# KiCad board AmigaPCI Mainboard.kicad_pcb (continued)
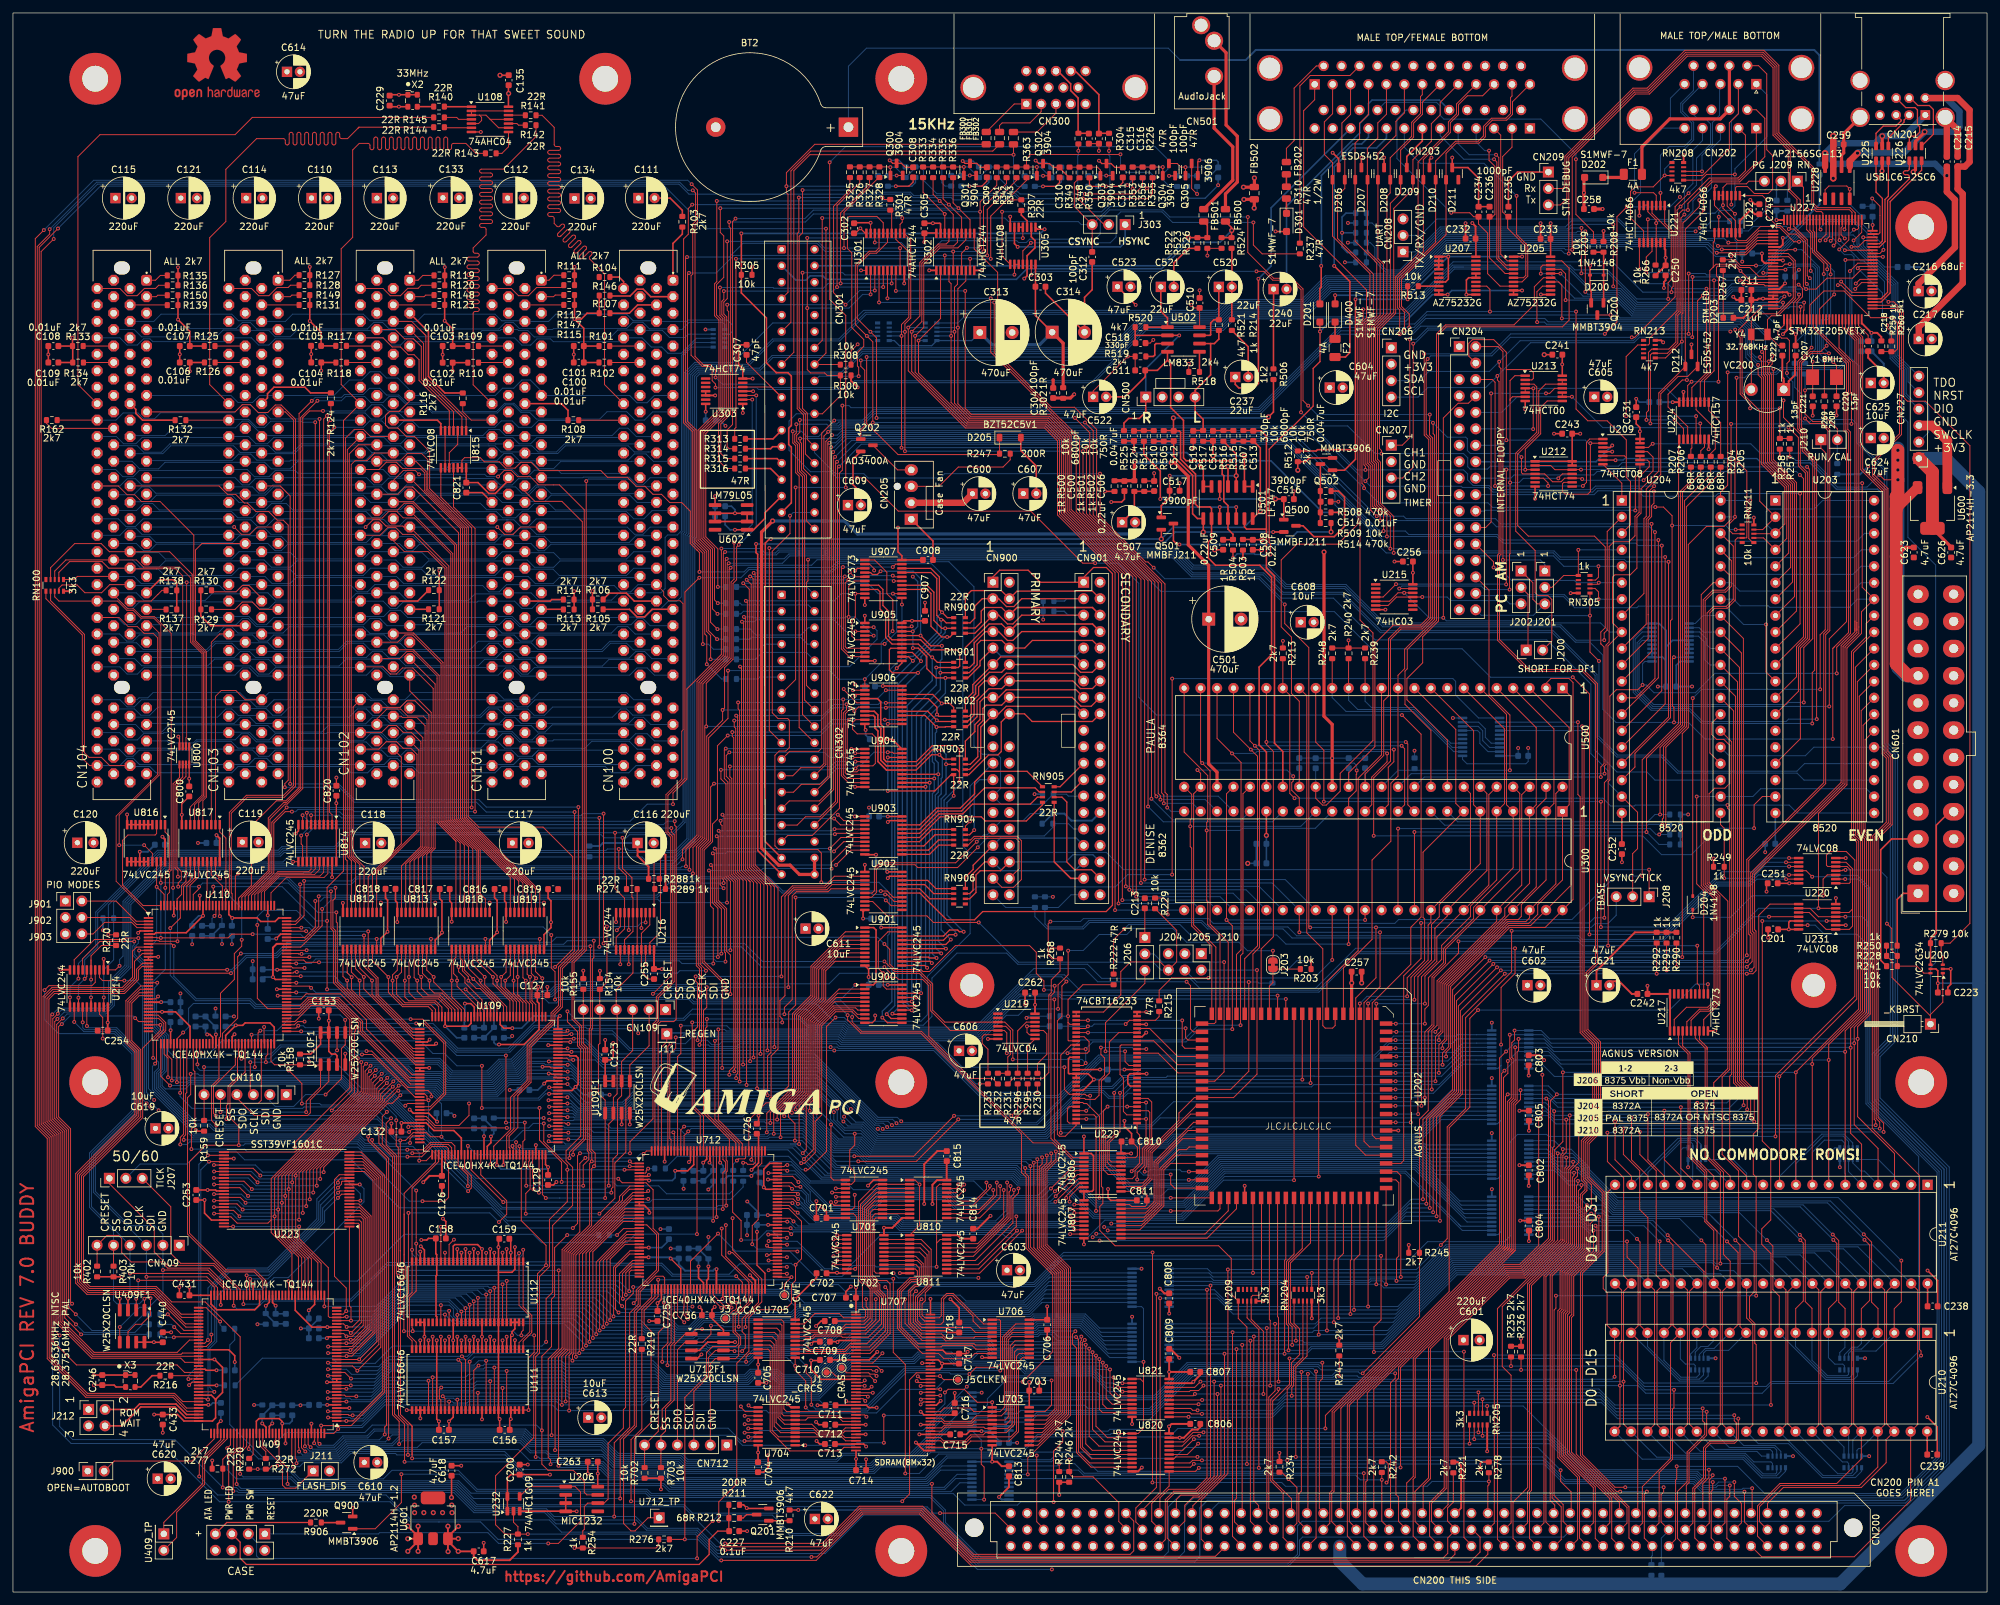
[diagram p0: board, top side]
## Routing (per net, layer and track width the routed paths; a pad name or vN(x,y) marks a point on that pad's centre or on a via; arc(x,y) is an arc through that point) (continued)
RGA5: length 86.7
  Top w0.15: U300.13 209.8,121.57 209.8,125.84 212.16,128.21 v1(212.16,129.5) ; U500.22 185.91,131.81 v1(188.22,129.5) 189.62,128.1 189.62,99.16 188.91,98.45 U202.29
  Bottom w0.15: v1(212.16,129.5) 211.88,129.79 192.07,129.79 191.78,129.5 188.22,129.5 v1(188.22,129.5)
RGA6: length 85.1
  Top w0.15: U500.21 188.45,132.77 v1(191.13,130.09) 192.15,129.06 192.15,99.77 190.18,97.8 U202.28 ; U300.12 212.35,121.58 212.35,127.36 213.21,128.22 v1(213.21,130.09)
  Bottom w0.15: v1(213.21,130.09) v1(191.13,130.09)
RGA7: length 84.7
  Top w0.15: U500.20 190.99,131.44 v1(191.75,130.68) 192.45,129.97 192.45,99.53 191.45,98.52 U202.27 ; U300.11 214.88,121.57 214.88,130.21 v1(214.41,130.68)
  Bottom w0.15: v1(214.41,130.68) v1(191.75,130.68)
RGA8: length 84.3
  Top w0.15: v1(215.05,131.26) 215.37,130.95 215.37,121.57 U300.10 ; U202.26 192.72,99.3 194.61,101.19 194.61,129.8 193.53,130.88 U500.19
  Bottom w0.15: v1(215.05,131.26) v1(193.53,131.26)
SCL: length 298.4
  Top w0.15: v1(248.14,15.51) 247.6,15.51 242.02,21.09 242.02,49.37 245.38,52.73 245.38,61.66 243.06,63.99 243.06,69.35 244.81,71.1 244.81,84.82 242.88,86.76 242.88,95.64 244.34,97.11 244.34,140.16 242.33,142.16 234.03,142.16 229.23,146.96 229.23,160.13 229.45,160.36 229.45,186.9 229.2,187.15 v1(229.2,187.79) ; v1(259.29,193.77) 259.33,193.81 v1(259.33,203.08) ; CN200.c40 251.88,8.33 251.88,15.12 v1(252.27,15.51) ; U227.69 v1(282.85,207.2)
  Bottom w0.15: v1(259.29,193.77) 251.13,193.77 250.28,192.92 234.33,192.92 v1(229.2,187.79) 227.4,185.99 218.43,185.99 216.96,184.52 CN206.4 ; R280.1 252.98,5.49 253.12,5.63 CN200.c40 ; v1(252.27,15.51) v1(248.14,15.51) ; v1(259.33,203.08) 270.37,203.08 270.85,203.55 270.85,204.33 275.78,209.26 280.79,209.26 v1(282.85,207.2)
SCLKA: length 376.4
  Top w0.15: v1(10.11,94.72) 10.1,94.72 10.1,96.07 ; v1(8.8,91.83) 8.81,91.82 8.81,90.32 8.81,91.26 ; 8.81,89.7 8.81,91.26 ; 8.81,91.26 8.8,91.27 ; v1(92.96,117.25) 92.96,108.61 94.43,107.14 94.43,102.4 93.13,101.1 93.13,99.17
  Bottom w0.15: v1(8.8,91.83) 8.8,93.41 v1(10.11,94.72) 10.11,97.08 12.78,99.75 12.78,105 22.33,114.54 40.94,114.54 41.5,115.09 49.62,115.09 51.78,117.25 v1(92.96,117.25) 101.75,117.25 103.47,118.97 103.47,163.38 103.75,163.66 103.75,188.36 105.28,189.89 111.24,189.89 117.32,195.97 129.39,195.97 131.33,197.91 185.73,197.91 187.43,199.61 198.99,199.61 202.64,203.25 214.51,203.25 220.85,209.59 260.13,209.59 262.23,211.69 R282.1
SCLKB: length 279
  Top w0.15: v1(267.7,97.39) 268.23,97.91 268.23,101.38 268,101.6 268,112.98 279.88,124.86 279.88,147.83 280.52,148.47 280.52,179.47 279.26,180.74 277.91,180.74 276.69,181.95 v1(276.69,185.57) ; v1(218.75,59.31) 218.75,73.17 222.88,77.29 222.88,91.3 v1(228.57,96.99)
  In3.Cu w0.15: 164.38,12.17 164.38,14.4 162.24,16.54 162.24,20.36 161.18,21.42 161.18,37.66 161.94,38.42 161.94,46.88 169.03,53.97 v1(169.03,55.84)
  Bottom w0.15: v1(169.03,55.84) 211.92,55.84 215.39,59.31 v1(218.75,59.31) ; R284.1 276.7,185.57 v1(276.69,185.57) ; v1(267.7,97.39) 267.54,97.22 228.8,97.22 v1(228.57,96.99)
SCS0: length 73
  Top w0.15: U110.23 19.64,93.09 17.75,91.19 17.75,84.89 19.13,83.51 19.13,73.63 9.99,64.49 9.99,47.83 11.54,46.27 21.77,46.27 26.63,41.41 U409.78
SCS1: length 74.2
  Top w0.15: U409.79 26.7,40.91 21.64,45.97 11.42,45.97 9.69,47.7 9.69,64.62 18.83,73.76 18.83,83.39 17.44,84.77 17.44,91.31 19.72,93.59 U110.22
SDA: length 301
  Top w0.15: v1(248.94,16.18) 247.35,16.18 242.32,21.21 242.32,49.24 245.69,52.61 245.69,61.78 243.36,64.11 243.36,69.22 245.11,70.97 245.11,84.95 243.18,86.88 243.18,95.52 244.64,96.98 244.64,140.28 242.46,142.46 234.15,142.46 229.52,147.09 229.52,160.01 229.75,160.24 229.75,188.93 229.47,189.21 v1(229.47,189.99) ; U227.77 284.95,210.57 284.76,210.38 v1(284.24,210.38) ; v1(258.74,203.6) 258.74,194.53 ; v1(254.87,16.18) 254.87,15.44 254.47,15.05 254.47,10.82 CN200.b41
  Bottom w0.15: CN206.3 217.18,187.06 218.61,188.49 227.97,188.49 v1(229.47,189.99) 232.7,193.22 250.16,193.22 251.23,194.29 v1(258.74,194.29) ; v1(254.87,16.18) v1(248.94,16.18) ; v1(258.74,203.6) 258.74,203.6 261.27,203.6 261.5,203.38 269.05,203.38 275.53,209.86 283.72,209.86 v1(284.24,210.38) ; R281.2 254.51,8.33 255.83,9.65
SDIA: length 373.8
  Top w0.15: v1(10.11,91.78) 10.1,91.77 10.1,90.32 ; 10.1,89.7 10.1,91.2 10.11,91.21 ; v1(94.11,116.47) 94.11,111.76 95.57,110.3 95.57,107.35 95.73,107.19 95.73,102.02 94.43,100.72 94.43,99.17 ; v1(11.07,94.69) 11.41,95.02 11.41,96.07
  Bottom w0.15: v1(10.11,91.78) 10.11,93.73 v1(11.07,94.69) 11.07,97.62 13.09,99.63 13.09,104.87 22.45,114.24 41.07,114.24 41.62,114.79 49.75,114.79 51.9,116.95 90.81,116.95 91.29,116.47 v1(94.11,116.47) 94.7,116.47 95.18,116.95 101.87,116.95 103.77,118.85 103.77,163.26 104.05,163.54 104.05,188.24 105.4,189.59 113.39,189.59 117.29,193.49 127.51,193.49 131.63,197.61 185.85,197.61 187.55,199.31 199.12,199.31 202.76,202.95 214.64,202.95 220.98,209.29 260.25,209.29 261.14,210.18 R283.1
SDIB: length 284.8
  Top w0.15: v1(276.69,181.21) 277.47,180.44 279.14,180.44 280.23,179.35 280.23,148.59 279.58,147.95 279.58,124.98 267.7,113.1 v1(267.7,98.33) ; v1(218.23,59.96) 218.23,73.07 222.58,77.42 222.58,92.11 v1(227.99,97.52)
  In3.Cu w0.15: v1(168.48,56.37) 168.48,53.85 161.64,47.01 161.64,38.55 160.88,37.79 160.88,17.48 163.12,15.24 163.12,8.35 164.38,7.09
  Bottom w0.15: v1(227.99,97.52) 266.89,97.52 v1(267.7,98.33) ; v1(276.69,181.21) 276.69,184.45 275.11,186.04 R285.1 ; v1(168.48,56.37) 212.02,56.37 215.61,59.96 v1(218.23,59.96)
SDOA: length 355.4
  Top w0.15: v1(93.54,114.74) 93.54,111.81 94.73,110.62 R271.2 ; R270.2 14.75,101.49 v1(14.73,101.51) ; U227.1 269.55,210.2 267.72,208.37 264.65,208.37
  Bottom w0.15: v1(14.73,101.51) 14.73,106.09 22.58,113.94 41.19,113.94 41.75,114.49 91.54,114.49 91.78,114.74 v1(93.54,114.74) 94.84,114.74 95.08,114.49 102.22,114.49 104.07,116.35 104.07,163.14 104.35,163.42 104.35,188.11 105.53,189.29 113.51,189.29 117.41,193.19 127.63,193.19 131.75,197.31 185.98,197.31 187.67,199.01 199.24,199.01 202.89,202.65 214.76,202.65 221.1,208.99 264.25,208.99 v1(264.86,208.38)
SDOB: length 297.1
  Top w0.15: U227.43 281.95,192.12 284.1,189.97 284.1,185.09 283.86,184.85 v1(283.86,180.39) ; v1(217.7,60.66) 217.7,72.96 222.28,77.54 222.28,92.99 v1(227.33,98.04) ; v1(265.27,180.38) 265.27,165.64 264.2,164.56 261.48,164.56 258.68,161.75 258.68,133.5 257.74,132.56 v1(257.74,98.04)
  In3.Cu w0.15: 164.38,9.63 165.67,10.92 165.67,13.54 162.54,16.67 162.54,20.49 161.48,21.55 161.48,37.54 162.24,38.3 162.24,46.76 169.58,54.1 v1(169.58,56.89)
  Bottom w0.15: v1(265.27,180.38) 265.28,180.38 283.86,180.38 v1(283.86,180.39) ; v1(217.7,60.66) 215.89,60.66 212.12,56.89 v1(169.58,56.89) ; v1(257.74,98.04) v1(227.33,98.04)
SIZ0: length 68.6
  Top w0.15: v1(208.57,18.35) 208.57,8.62 210.1,7.09 ; R244.2 v1(161.54,19.82)
  Bottom w0.15: v1(208.57,18.35) 208.56,18.34 165.4,18.34 163.93,19.82 v1(161.54,19.82) 161.19,19.47 U809.12
SIZ1: length 88.2
  Top w0.15: R243.2 v1(204.78,33.38) ; v1(213.42,33.77) 213.42,33 212.7,32.29 212.7,12.23
  Bottom w0.15: U808.18 157.04,26.25 158.24,27.45 175.86,27.45 182.02,33.62 197.58,33.62 198.04,33.15 203.81,33.15 204.03,33.38 v1(204.78,33.38) 207.55,33.38 207.77,33.15 211.58,33.15 212.2,33.77 v1(213.42,33.77)
SPIO: length 93.3
  Top w0.15: U409.88 12.28,36.41 7.09,41.59 7.09,70.79 5.25,72.63 5.25,91.67 6.31,92.73 17.1,92.73 19.06,94.69 19.06,96.17 19.99,97.09 U110.15
ST0: length 518
  Top w0.15: U227.31 275.95,197.75 276.02,197.82 v1(276.02,198.47) ; U409.104 26.8,28.41 24.83,30.38 11.38,30.38 5.59,36.16 5.59,70.17 3.75,72.01 3.75,207.77 5.67,209.69 v1(5.67,210.45) ; v1(104.97,216.45) 105.4,216.02 105.4,211.69 104.96,211.25 104.96,203.53 104.7,203.27 104.7,191 106.46,189.24 107.53,189.24 107.96,188.81 107.96,187.05 108.48,186.53 108.48,186 v1(108.47,185.99)
  Bottom w0.15: v1(276.02,198.47) 274.38,198.47 274.15,198.25 250.44,198.25 247.99,200.7 243.76,200.7 240.16,204.3 222.53,204.3 214.84,196.61 188.67,196.61 186.86,194.8 174.92,194.8 166.87,186.74 130.07,186.74 129.02,185.69 115.12,185.69 114.81,185.99 v1(108.47,185.99) ; v1(5.67,210.45) 12.92,217.7 102.95,217.7 104.2,216.45 v1(104.97,216.45)
ST1: length 521.3
  Top w0.15: U227.32 276.45,197.86 276.54,197.95 276.54,199.11 v1(276.55,199.12) ; v1(104.79,217.4) 105.69,216.5 105.69,211.56 105.31,211.18 105.31,190.81 106.58,189.54 107.65,189.54 108.48,188.71 v1(108.48,187.56) ; U409.105 26.87,27.91 24.7,30.08 11.25,30.08 5.29,36.04 5.29,70.04 3.45,71.89 3.45,208.99 v1(4.77,210.31)
  Bottom w0.15: 222.54,204.6 223.93,204.6 ; 223.93,204.6 222.41,204.6 214.72,196.91 188.54,196.91 186.74,195.1 174.8,195.1 166.74,187.04 129.95,187.04 128.89,185.99 116.54,185.99 116,186.52 109.52,186.52 v1(108.48,187.56) ; 223.93,204.6 240.28,204.6 243.88,201 248.11,201 250.56,198.55 273.65,198.55 274.22,199.12 v1(276.55,199.12) ; v1(104.79,217.4) 104.19,218 12.46,218 v1(4.77,210.31)
SYNC: length 90.8
  Top w0.15: CN301.28 122.35,175.73 122.35,181.9 121.39,182.86 121.39,209.37 121.92,209.9 v1(121.92,216.49)
  Bottom w0.15: R352.2 166.02,214.85 165.48,214.31 156.02,214.31 154.7,215.63 139.1,215.63 138.57,216.16 132.51,216.16 132.18,216.49 v1(121.92,216.49)
TBASE: length 186.5
  Top w0.15: J208.2 250.08,114.03 250.84,114.79 250.84,120.41 U204.19 ; CN302.14 122.53,139.98 122.53,155.93 122.75,156.15 122.75,159.42 v1(122.75,159.42)
  Bottom w0.15: v1(122.75,159.42) 123.03,159.7 179.03,159.7 181.95,156.77 192.51,156.77 195.82,153.47 203.89,153.47 210.33,147.03 236.81,147.03 243.63,140.21 243.63,129.47 246.33,126.77 246.33,124.92 U204.19
TICK50: length 30.4
  Top w0.15: U409.64 34.58,46.81 30.94,50.45 23.88,50.45 21.82,52.51 21.82,56.12 14.89,63.05 J207.1
TICK60: length 27.4
  Top w0.15: U409.63 35.08,46.73 31.06,50.75 25.9,50.75 24.37,52.28 24.37,59.49 J207.3
TM0: length 70.9
  Top w0.15: 199.94,12.17 v1(199.94,33.69)
  Bottom w0.15: v1(199.94,33.69) 199.7,33.45 198.16,33.45 197.7,33.91 181.9,33.91 175.73,27.75 158.12,27.75 157.27,26.9 U808.17
TM1: length 77.9
  Top w0.15: v1(201.2,34.07) 201.2,8.35 199.94,7.09
  Bottom w0.15: v1(201.2,34.07) 200.75,34.51 181.65,34.51 175.48,28.35 165.98,28.35 165.48,28.85 U808.14
TM2: length 74.5
  Top w0.15: v1(202.17,35.41) 202.17,32.93 201.7,32.46 201.7,12.94 202.48,12.17
  Bottom w0.15: v1(202.17,35.41) 181.27,35.41 176.16,30.3 167.89,30.3 167.39,30.8 U808.11
TT0: length 123.1
  Top w0.15: v1(241.37,34.3) 241.37,21.31 249.51,13.17 249.51,8.35 250.75,7.11 ; R236.2 v1(232.85,34.3)
  Bottom w0.15: v1(241.37,34.3) v1(232.85,34.3) 201.98,34.3 201.47,34.81 181.52,34.81 176.41,29.7 156.92,29.7 156.72,29.5 U808.13
TT1: length 130.9
  Top w0.15: v1(256.46,31.22) 256.46,28.45 256.24,28.23 256.24,20.51 254.17,18.45 254.17,11.74 254.16,11.72 254.16,10.67 CN200.b40 ; R235.2 v1(231.3,34.89)
  Bottom w0.15: v1(256.46,31.22) 252,31.22 248.33,34.89 v1(231.3,34.89) 201.82,34.89 201.59,35.12 181.4,35.12 176.28,30 167.77,30 167.62,30.15 U808.12
U109_SCK: length 62.9
  Top w0.15: CN109.3 95.68,83.61 93.97,81.91 U109F1.6 93.97,76.64 93.35,76.02 93.35,67.56 92.63,66.84 92.63,62.51 92.39,62.26 v1(92.39,61.67) ; 93.78,104.92 93.78,102.74 v1(93.24,102.2) ; U109.70 81.23,61.68 v1(81.22,61.67)
  In3.Cu w0.15: v1(93.24,102.2) 93.24,96.73 95.68,94.29 CN109.3
  Bottom w0.15: v1(81.22,61.67) v1(92.39,61.67)
U109_SDI: length 71.9
  Top w0.15: CN109.2 98.22,84.36 95.25,81.38 U109F1.5 95.25,76.6 94.63,75.99 94.63,67.95 92.94,66.25 92.94,60.81 v1(90.55,58.43) ; U109.67 79.73,66.59 79.64,66.5 79.64,65.65 79.85,65.44 79.85,62.22 79.18,61.55 v1(79.18,58.42) ; 95.08,104.92 v1(95.08,102.22)
  In3.Cu w0.15: v1(95.08,102.22) 96.73,100.57 96.73,94.83 97.35,94.21 97.35,90.8 CN109.2
  Bottom w0.15: v1(79.18,58.42) 87.12,58.42 87.13,58.43 v1(90.55,58.43)
U109_SDOA: length 55.1
  Top w0.15: v1(91.99,62.76) 91.99,72.27 92.71,72.98 U109F1.2 92.71,76.36 93.28,76.94 93.28,89.8 ; U109.68 80.23,63.92 80.37,63.78 v1(80.37,62.2) ; 95.73,99.17 95.73,95.6 93.14,93.01 CN109.4
  Bottom w0.15: v1(80.37,62.2) 91.43,62.2 v1(91.99,62.76)
U109_SS: length 66.6
  Top w0.15: v1(82.27,60.84) 81.75,61.37 81.75,67.51 ; CN109.5 90.6,93.06 ; R154.2 91.72,94.17 v1(91.72,102.77) ; 97.68,104.92 v1(97.68,103.4) ; v1(91.44,60.84) U109F1.1 91.44,75.95 90.4,76.99 90.4,84.5 90.63,84.74 90.63,89.91
  Bottom w0.15: v1(91.44,60.84) 84.43,60.84 84.42,60.84 84.42,60.84 v1(82.27,60.84) ; v1(91.72,102.77) 96.42,102.77 97.05,103.4 v1(97.68,103.4)
U110_SCK: length 80.4
  Top w0.15: v1(50.04,83.65) 50.03,83.66 U110F1.6 ; v1(39.05,81.82) 39.05,82.72 39.34,83.01 U110.70 ; 36.64,77.29 v1(36.64,81.82) ; v1(19.36,100.98) 19.35,100.98 17.41,100.98 17.19,100.76 12.59,100.76 9.46,97.63 9.46,96.07
  In3.Cu w0.15: CN110.3 35.85,78.08 28.14,78.08 26.05,75.99 v1(21.8,75.99)
  Bottom w0.15: v1(50.04,83.65) 48.87,82.48 40.53,82.48 39.87,81.82 v1(39.05,81.82) v1(36.64,81.82) ; v1(21.8,75.99) 20.63,77.16 20.63,96.63 18.8,98.46 18.8,99.63 19.36,100.19 v1(19.36,100.98)
U110_SDI: length 96.9
  Top w0.15: 10.75,96.07 10.75,97.8 13.41,100.46 18.72,100.46 v1(18.72,100.46) ; v1(38.19,86.68) 37.84,86.33 U110.67 ; v1(48.27,76.82) 50.71,79.26 50.71,83.92 51.31,84.51 U110F1.5 51.31,88.34 v1(51.3,88.35)
  In3.Cu w0.15: CN110.2 37.49,74.64 26.71,74.64 26.49,74.41 22.51,74.41 v1(22.49,74.39)
  Bottom w0.15: v1(51.3,88.35) 50.53,89.11 43.21,89.11 40.77,86.68 v1(38.19,86.68) ; v1(48.27,76.82) 45.18,76.82 43.35,74.99 40.5,74.99 39.66,75.83 CN110.2 ; v1(18.72,100.46) 18.72,99.98 18.5,99.75 18.5,98.33 20.33,96.5 20.33,76.55 v1(22.49,74.39)
U110_SDOA: length 70
  Top w0.15: 11.41,90.32 11.41,87.42 v1(11.42,87.41) ; 48.76,81.44 48.76,78.84 45.91,75.99 45.91,74 45.5,73.58 37.28,73.58 35.22,75.64 ; 34.58,76.28 35.42,75.44 37.85,75.44 38.34,75.93 U110.68
  In3.Cu w0.15: CN110.4 32.71,74.94 v1(21.2,74.94)
  Bottom w0.15: v1(21.2,74.94) 20.43,74.94 19.57,75.8 19.57,83.59 16.02,87.14 11.69,87.14 v1(11.42,87.41)
U110_SS: length 73.3
  Top w0.15: CN110.5 v1(32.04,74.11) ; v1(45.28,74.11) 45.28,75.78 47.5,77.99 U110F1.1 ; R158.2 40.38,81.42 39.84,81.96 U110.71 ; 44.37,81.38 47.43,81.38 ; v1(17.2,94.42) 13.84,94.42 13.35,94.91 13.35,96.07
  In3.Cu w0.15: v1(20.65,75.46) 30.69,75.46 CN110.5
  Bottom w0.15: v1(32.04,74.11) v1(45.28,74.11) ; v1(20.65,75.46) 20.03,76.08 20.03,93.38 18.99,94.42 v1(17.2,94.42)
UDB0: length 39
  Top w0.15: U810.2 U701.9 133.28,62.97 130.57,60.26 130.57,48.17 131.16,47.58 131.16,43.99 131.63,43.52 131.63,42.56 131.42,42.35 U707.2 128.24,42.35 127.57,43.02 123.82,43.02 122.19,41.39 U705.9
UDB1: length 39.3
  Top w0.15: U705.8 122.31,40.75 122.64,40.42 127.68,40.42 128.61,41.35 U707.4 131.41,41.35 132.35,42.29 132.35,46.81 130.87,48.29 130.87,59.88 133.31,62.32 U701.8 U810.3
UDB2: length 39
  Top w0.15: U810.4 U701.7 133.31,61.68 131.17,59.53 131.17,48.42 132.65,46.94 132.65,41.93 131.57,40.85 U707.5 128.53,40.85 127.8,40.12 120.8,40.12
UDB3: length 40
  Top w0.15: U705.6 123.38,39.44 123.76,39.82 128.46,39.82 128.49,39.85 U707.7 131.63,39.85 133.8,42.02 133.8,45.46 132.95,46.31 132.95,47.06 131.47,48.54 131.47,59.31 133.19,61.02 U701.6 U810.5
UDB4: length 40.4
  Top w0.15: U705.5 122.04,38.8 122.39,39.14 123.5,39.14 123.88,39.52 127.89,39.52 128.06,39.35 U707.8 132.06,39.35 134.1,41.39 134.1,45.59 133.25,46.44 133.25,47.19 131.77,48.67 131.77,59.12 133.02,60.38 U701.5 U810.6
UDB5: length 41.1
  Top w0.15: U705.4 122.35,38.14 123.05,37.44 128.39,37.44 129.3,38.35 U707.10 131.84,38.35 134.4,40.91 134.4,45.71 133.55,46.56 133.55,47.31 132.07,48.79 132.07,59 132.8,59.72 U701.4 U810.7
UDB6: length 40.9
  Top w0.15: U705.3 122.18,37.5 122.53,37.14 128.51,37.14 129.22,37.85 U707.11 132.24,37.85 134.7,40.31 134.7,45.84 133.85,46.69 133.85,47.44 132.37,48.92 132.37,58.64 132.81,59.07 U701.3 U810.8
UDB7: length 41.8
  Top w0.15: 120.77,36.84 130.15,36.84 ; U810.9 U701.2 133.12,58.43 132.67,57.97 132.67,49.04 133.61,48.1 134.92,48.1 135.43,47.59 135.43,39.94 132.34,36.85 U707.13
UDB8: length 34.7
  Top w0.15: U702.9 U811.2 140.24,54.44 141.77,52.91 141.77,47.13 140.86,46.22 140.86,44.99 140.36,44.49 140.36,42.8 140.81,42.35 U707.85 143.04,42.35 143.34,42.65 143.34,45.29 144.15,46.1 145.17,46.1 149.88,41.39 U706.2
UDB9: length 37
  Top w0.15: U706.3 149.35,40.75 148.24,41.85 148.24,42.62 145.05,45.8 144.27,45.8 143.7,45.23 143.7,41.77 143.28,41.35 U707.83 140.24,41.35 139.66,41.93 139.66,45.44 141.44,47.22 141.44,52.53 140.18,53.8 U811.3 U702.8
UDB10: length 30.7
  Top w0.15: 134.47,53.14 140.06,53.14 141.14,52.07 141.14,47.35 139.36,45.57 139.36,41.8 140.31,40.85 U707.82 147.85,40.85 148.61,40.09 U706.4
UDB11: length 31.6
  Top w0.15: U706.5 148.56,39.44 148.36,39.24 144,39.24 143.39,39.85 U707.80 140.3,39.85 138.61,41.54 138.61,46.44 139.39,47.22 139.76,47.22 140.84,48.3 140.84,51.62 139.96,52.5 U811.5 U702.6
UDB12: length 30.9
  Top w0.15: 134.47,51.84 139.39,51.84 140.54,50.7 140.54,48.43 139.63,47.52 139.26,47.52 138.31,46.57 138.31,41.42 140.38,39.35 U707.79 143.47,39.35 144.02,38.8 U706.6
UDB13: length 32.6
  Top w0.15: U702.4 U811.7 139.62,51.19 140.24,50.58 140.24,48.55 139.63,47.94 138.74,47.94 137.16,46.36 137.16,40.95 139.76,38.35 U707.77 148.39,38.35 148.6,38.14 U706.7
UDB14: length 32.6
  Top w0.15: U706.8 148.67,37.5 148.12,38.05 143.53,38.05 143.33,37.85 U707.76 139.84,37.85 136.86,40.83 136.86,46.49 138.61,48.24 139.5,48.24 139.94,48.68 139.94,50.05 139.44,50.55 U811.8 U702.3
UDB15: length 32.9
  Top w0.15: 151.19,36.84 148.5,36.84 147.7,36.04 143.72,36.04 142.91,36.85 U707.74 140.41,36.85 136.56,40.7 136.56,46.61 138.49,48.54 139.38,48.54 139.64,48.8 139.64,49.58 139.32,49.89 U811.9 U702.2
USB1+: length 15
  Top w0.2: U227.71 288.2,208.2 288.64,208.64 288.64,215.2 287.66,216.18 287.66,217.83 arc(287.73,217.99) 287.88,218.06 arc(288.04,218.12) 288.11,218.28 288.11,218.48 arc(288.04,218.64) 287.88,218.71 arc(287.73,218.77) 287.66,218.93 U225.1
USB1-: length 15
  Top w0.2: U225.3 289.56,215.55 289.04,215.03 289.04,208.55 288.19,207.7 U227.70
USB2+: length 25.8
  Top w0.2: U226.1 292.8,219.77 arc(292.71,219.56) 292.5,219.47 292.18,219.47 arc(291.96,219.38) 291.88,219.17 arc(291.96,218.96) 292.18,218.87 292.5,218.87 arc(292.71,218.78) 292.8,218.57 292.8,218.22 289.44,214.87 289.44,200.7 288.44,199.7 U227.54
USB2-: length 25.7
  Top w0.2: U226.3 294.7,219.56 289.84,214.7 289.84,200.61 288.43,199.2 U227.53
USB5VEN: length 20.6
  Top w0.15: U228.4 v1(283.6,216.66) 283.14,217.12 280.38,217.12 279.79,216.53 U228.1 ; U227.68 288.25,206.7 v1(288.8,207.25)
  Bottom w0.15: v1(288.8,207.25) 288.8,207.98 285.59,211.19 R265.1 283.6,214.33 v1(283.6,216.66)
VCDAC: length 172.4
  Top w0.15: v1(114.77,184.78) 114.76,184.78 U303.3 ; v1(158.17,77.17) 158.17,78.44 ; v1(112.07,161.71) 111.73,161.37 111.73,156.31 111.18,155.76 111.18,144.04 109.87,142.73 109.87,136.51 v1(109.57,136.21) 109.57,134.61 107.12,132.16 107.12,116.25 105.81,114.95 105.81,96.84 106.3,96.35 106.3,85.03 106,84.73 v1(106,84.49)
  Bottom w0.15: v1(106,84.49) 106.01,84.48 107.39,84.48 107.64,84.23 111.72,84.23 112.17,84.68 127.16,84.68 127.61,84.23 142.4,84.23 149.45,77.17 v1(158.17,77.17) ; CN302.15 v1(109.57,136.21) ; v1(114.77,184.78) 114.77,164.41 v1(112.07,161.71)
Vref: length 30.7
  Top w0.25: U501.10 v1(186.33,167.53) ; 176.15,169.97 173.14,169.97 173.14,167.08 C507.1 ; U501.12 v1(188.87,167.53)
  Bottom w0.25: C507.1 173.59,167.53 v1(186.33,167.53) v1(188.87,167.53)
XCLK: length 351.2
  Top w0.15: v1(154.3,214.97) 155.67,214.97 ; v1(6.29,208.94) 4.35,207 4.35,72.26 6.19,70.42 6.19,38.69 9.81,35.07 25.34,35.07 26.5,33.91 U409.93
  Bottom w0.15: v1(6.29,208.94) 6.29,210.63 13.06,217.4 102.83,217.4 104.37,215.86 138.45,215.86 138.98,215.33 144.85,215.33 145.21,214.97 v1(154.3,214.97)
Net-(BT2-+): length 179
  Bottom w0.15: BT2.1 129,235.62 131.78,238.4 178.38,238.4 180.21,236.57
  Bottom w0.3: 180.21,236.57 190.34,236.57 191.9,238.13 278.11,238.13 278.94,237.3 278.93,237.29 278.93,220.52
Net-(C237-Pad2): length 8.2
  Top w0.25: R214.2 190.72,192.3 C237.2
Net-(C315-Pad1): length 12.5
  Top w0.25: 164.46,225.26 164.46,230.71 163.31,231.86 163.31,232.89 161.34,234.86 ; 166.12,225.26 164.56,225.26
Net-(C316-Pad1): length 13.4
  Top w0.25: CN300.14 164.03,234.86 167.67,231.23 C316.1 ; R226.1 167.72,225.26
Net-(C515-Pad2): length 3.1
  Top w0.25: 188.44,179.35 185.33,179.35
Net-(C520-Pad1): length 10.1
  Top w0.25: C520.1 R521.2 185.42,196.47 184.93,195.98 184.93,194.16 184.82,194.05 183.2,194.05
Net-(C521-Pad1): length 10
  Top w0.25: C521.1 177.23,197.78 178.25,196.75 U502.1 174.93,195.32
Net-(C521-Pad2): length 8.3
  Top w0.25: R522.2 181.5,207.5 179.23,205.22 ; 179.24,201.55 179.24,205.23
Net-(C524-Pad2): length 3
  Top w0.25: R510.2 173.13,179.35
Net-(CN100-_PRSNT1): length 4.7
  Top w0.15: R101.1 CN100.B9
Net-(CN100-_PRSNT2): length 4.7
  Top w0.15: 92.14,189.86 CN100.B11
Net-(CN100-_TRST): length 8.8
  Top w0.25: CN100.A1 101.9,208.25 103.35,209.7 R103.1
Net-(CN100-TCK): length 3.5
  Top w0.25: R104.2 93.58,203.06 94.28,202.36 CN100.B2
Net-(CN101-_PRSNT1): length 4.6
  Top w0.15: R109.1 CN101.B9
Net-(CN101-_PRSNT2): length 4.6
  Top w0.15: 71.91,189.86 CN101.B11
Net-(CN101-_TRST): length 3.8
  Top w0.15: R111.1 83.53,203.34 82.75,202.56 CN101.A1
Net-(CN101-TCK): length 12.2
  Top w0.15: R112.2 84.69,201.45 80.86,201.45 79.59,200.18 78.05,200.18 76.94,201.29 CN101.B2
Net-(CN102-_PRSNT1): length 4.7
  Top w0.15: CN102.B9 51.48,192.41
Net-(CN102-_PRSNT2): length 4.7
  Top w0.15: CN102.B11 51.46,189.86
Net-(CN102-_TRST): length 4.1
  Top w0.15: R119.1 63.29,203.31 62.54,202.56 CN102.A1
Net-(CN102-TCK): length 12.5
  Top w0.15: R120.2 63.03,201.79 62.56,201.32 60.97,201.32 59.83,200.18 58.26,200.18 57.15,201.29 CN102.B2
Net-(CN103-_PRSNT1): length 4.7
  Top w0.15: R125.1 CN103.B9
Net-(CN103-_PRSNT2): length 4.6
  Top w0.15: R126.1 CN103.B11
Net-(CN103-_TRST): length 3.6
  Top w0.15: CN103.A1 42.75,202.56 43.54,203.35 R127.1
Net-(CN103-TCK): length 12
  Top w0.15: CN103.B2 36.83,201.29 37.94,200.18 39.52,200.18 40.79,201.45 42.5,201.45 42.85,201.8 R128.2
Net-(CN104-_PRSNT1): length 4.7
  Top w0.15: R133.1 CN104.B9
Net-(CN104-_PRSNT2): length 4.7
  Top w0.15: 10.87,189.86 CN104.B11
Net-(CN104-_TRST): length 3.5
  Top w0.15: CN104.A1 22.01,202.56 22.75,203.31 R135.1
Net-(CN104-TCK): length 12
  Top w0.15: R136.2 22.5,201.79 22.01,201.3 20.29,201.3 19.17,200.18 17.62,200.18 16.51,201.29 CN104.B2
Net-(CN203-Pad34): length 43.6
  Top w0.25: 206.41,191.39 205.73,190.71 F2.2 ; 206.42,191.41 206.42,202.36 v1(204,204.78)
  Bottom w0.25: CN203.34 212.06,224.51 210.55,223 206.92,223 204,220.08 v1(204,204.78)
Net-(CN300-Pad1): length 8
  Top w0.15: FB300.1 154.6,229.78 CN300.1
Net-(CN300-Pad2): length 9.5
  Top w0.15: FB301.1 152.33,226.46 152.73,226.86 157.02,226.86 158.75,228.59 CN300.2
Net-(CN300-Pad3): length 9.2
  Top w0.15: CN300.3 161.04,228.37 158.12,225.45 FB302.1
Net-(CN301-Pad23): length 6.1
  Top w0.25: R313.1 117.36,178.07 CN301.23
Net-(CN301-Pad25): length 5.7
  Top w0.25: CN301.25 117.29,176.86 116.98,176.55 R314.1
Net-(CN301-Pad27): length 5.9
  Top w0.25: CN301.27 117.99,175.02 R315.1
Net-(CN301-Pad29): length 6.3
  Top w0.25: CN301.29 116.98,173.49 R316.1
Net-(CN301-Pad33): length 96.9
  Top w0.25: v1(159.29,210.44) 158.2,210.44 U305.1 ; CN301.33 120.18,168.19 120.18,176.8 119.78,177.2 119.78,179.72 120.18,180.13 120.18,187.77 119.66,188.29 117.86,188.29 116.33,189.82 116.33,196.74 112.46,200.61 R305.1 112.46,209.78 v1(112.47,209.79)
  Bottom w0.25: v1(112.47,209.79) 158.65,209.79 v1(159.29,210.44)
Net-(CN302-Pad2): length 12.5
  Bottom w0.15: CN302.2 122.54,155.21 122.54,155.21 111.72,155.21
Net-(CN302-Pad3): length 7.1
  Bottom w0.15: R318.1 112.39,151.05 112.79,151.45 CN302.3
Net-(CN302-Pad4): length 12.6
  Bottom w0.15: R319.1 112.28,152.7 112.55,152.43 122.78,152.43 CN302.4
Net-(CN302-Pad6): length 12.9
  Bottom w0.15: CN302.6 122.79,148.91 121.66,147.78 114.73,147.78 113.8,148.71 113.79,148.7 R320.1
Net-(CN302-Pad7): length 7.3
  Bottom w0.15: R321.1 115.27,145.59 116.05,146.37 CN302.7
Net-(CN302-Pad8): length 12.6
  Bottom w0.15: R322.1 113.77,147.14 114.06,147.43 121.63,147.43 122.69,146.37 CN302.8
Net-(CN302-Pad10): length 13
  Bottom w0.15: CN302.10 122.49,145.1 115.69,145.1 114.62,144.03 R323.1
Net-(CN302-Pad11): length 7.1
  Bottom w0.15: CN302.11 115.33,141.29 115.03,140.99 R324.1
Net-(CN500-Pin_1): length 28.4
  Top w0.25: R520.1 173.27,192.91 ; 173.27,194.05 U502.2 180.06,194.05 v1(180.07,194.05) ; R525.2 171.54,180.52 172.25,181.23 173.91,181.23 174.91,182.23 CN500.1
  Bottom w0.25: v1(180.07,194.05) 174.91,188.89 CN500.1
Net-(CN500-Pin_4): length 21
  Top w0.25: 184.92,192.78 185.5,192.78 186.19,193.48 R521.1 ; 184.92,192.78 184.92,187.96 182.53,185.57 CN500.4 182.53,182.32 183.76,181.08 R517.2 182.29,179.36 ; 184.92,192.78 183.2,192.78
Net-(CN501-PadR): length 23.6
  Top w0.5: FB501.2 188.34,218.02 188.34,223.17 185.46,226.05 CN501.R
Net-(CN501-PadT): length 28.2
  Top w0.5: CN501.T 187.31,237.7 187.31,226.54 189.04,224.81 189.04,217.73 187.21,215.9 FB500.2
Net-(CN601-PS_ON#): length 24.8
  Top w0.25: 299.03,120.49 296.96,118.42 296.96,101.75 296.07,100.86 U200.4
